# Altium PCB LH-RAM_OB_USB_A_V1.0(DY)20170519.PcbDoc (part 3 of 3)
Units mm, origin at the board's own origin, x right, y up, seen from the top; angles counter-clockwise.
Board outline 99.09 x 92.63 mm, 2 copper layers (Top Layer, Bottom Layer); 280 components, 27 nets, 1180 pads, 290 vias.
Unrouted connection lines stored in the file: 234.
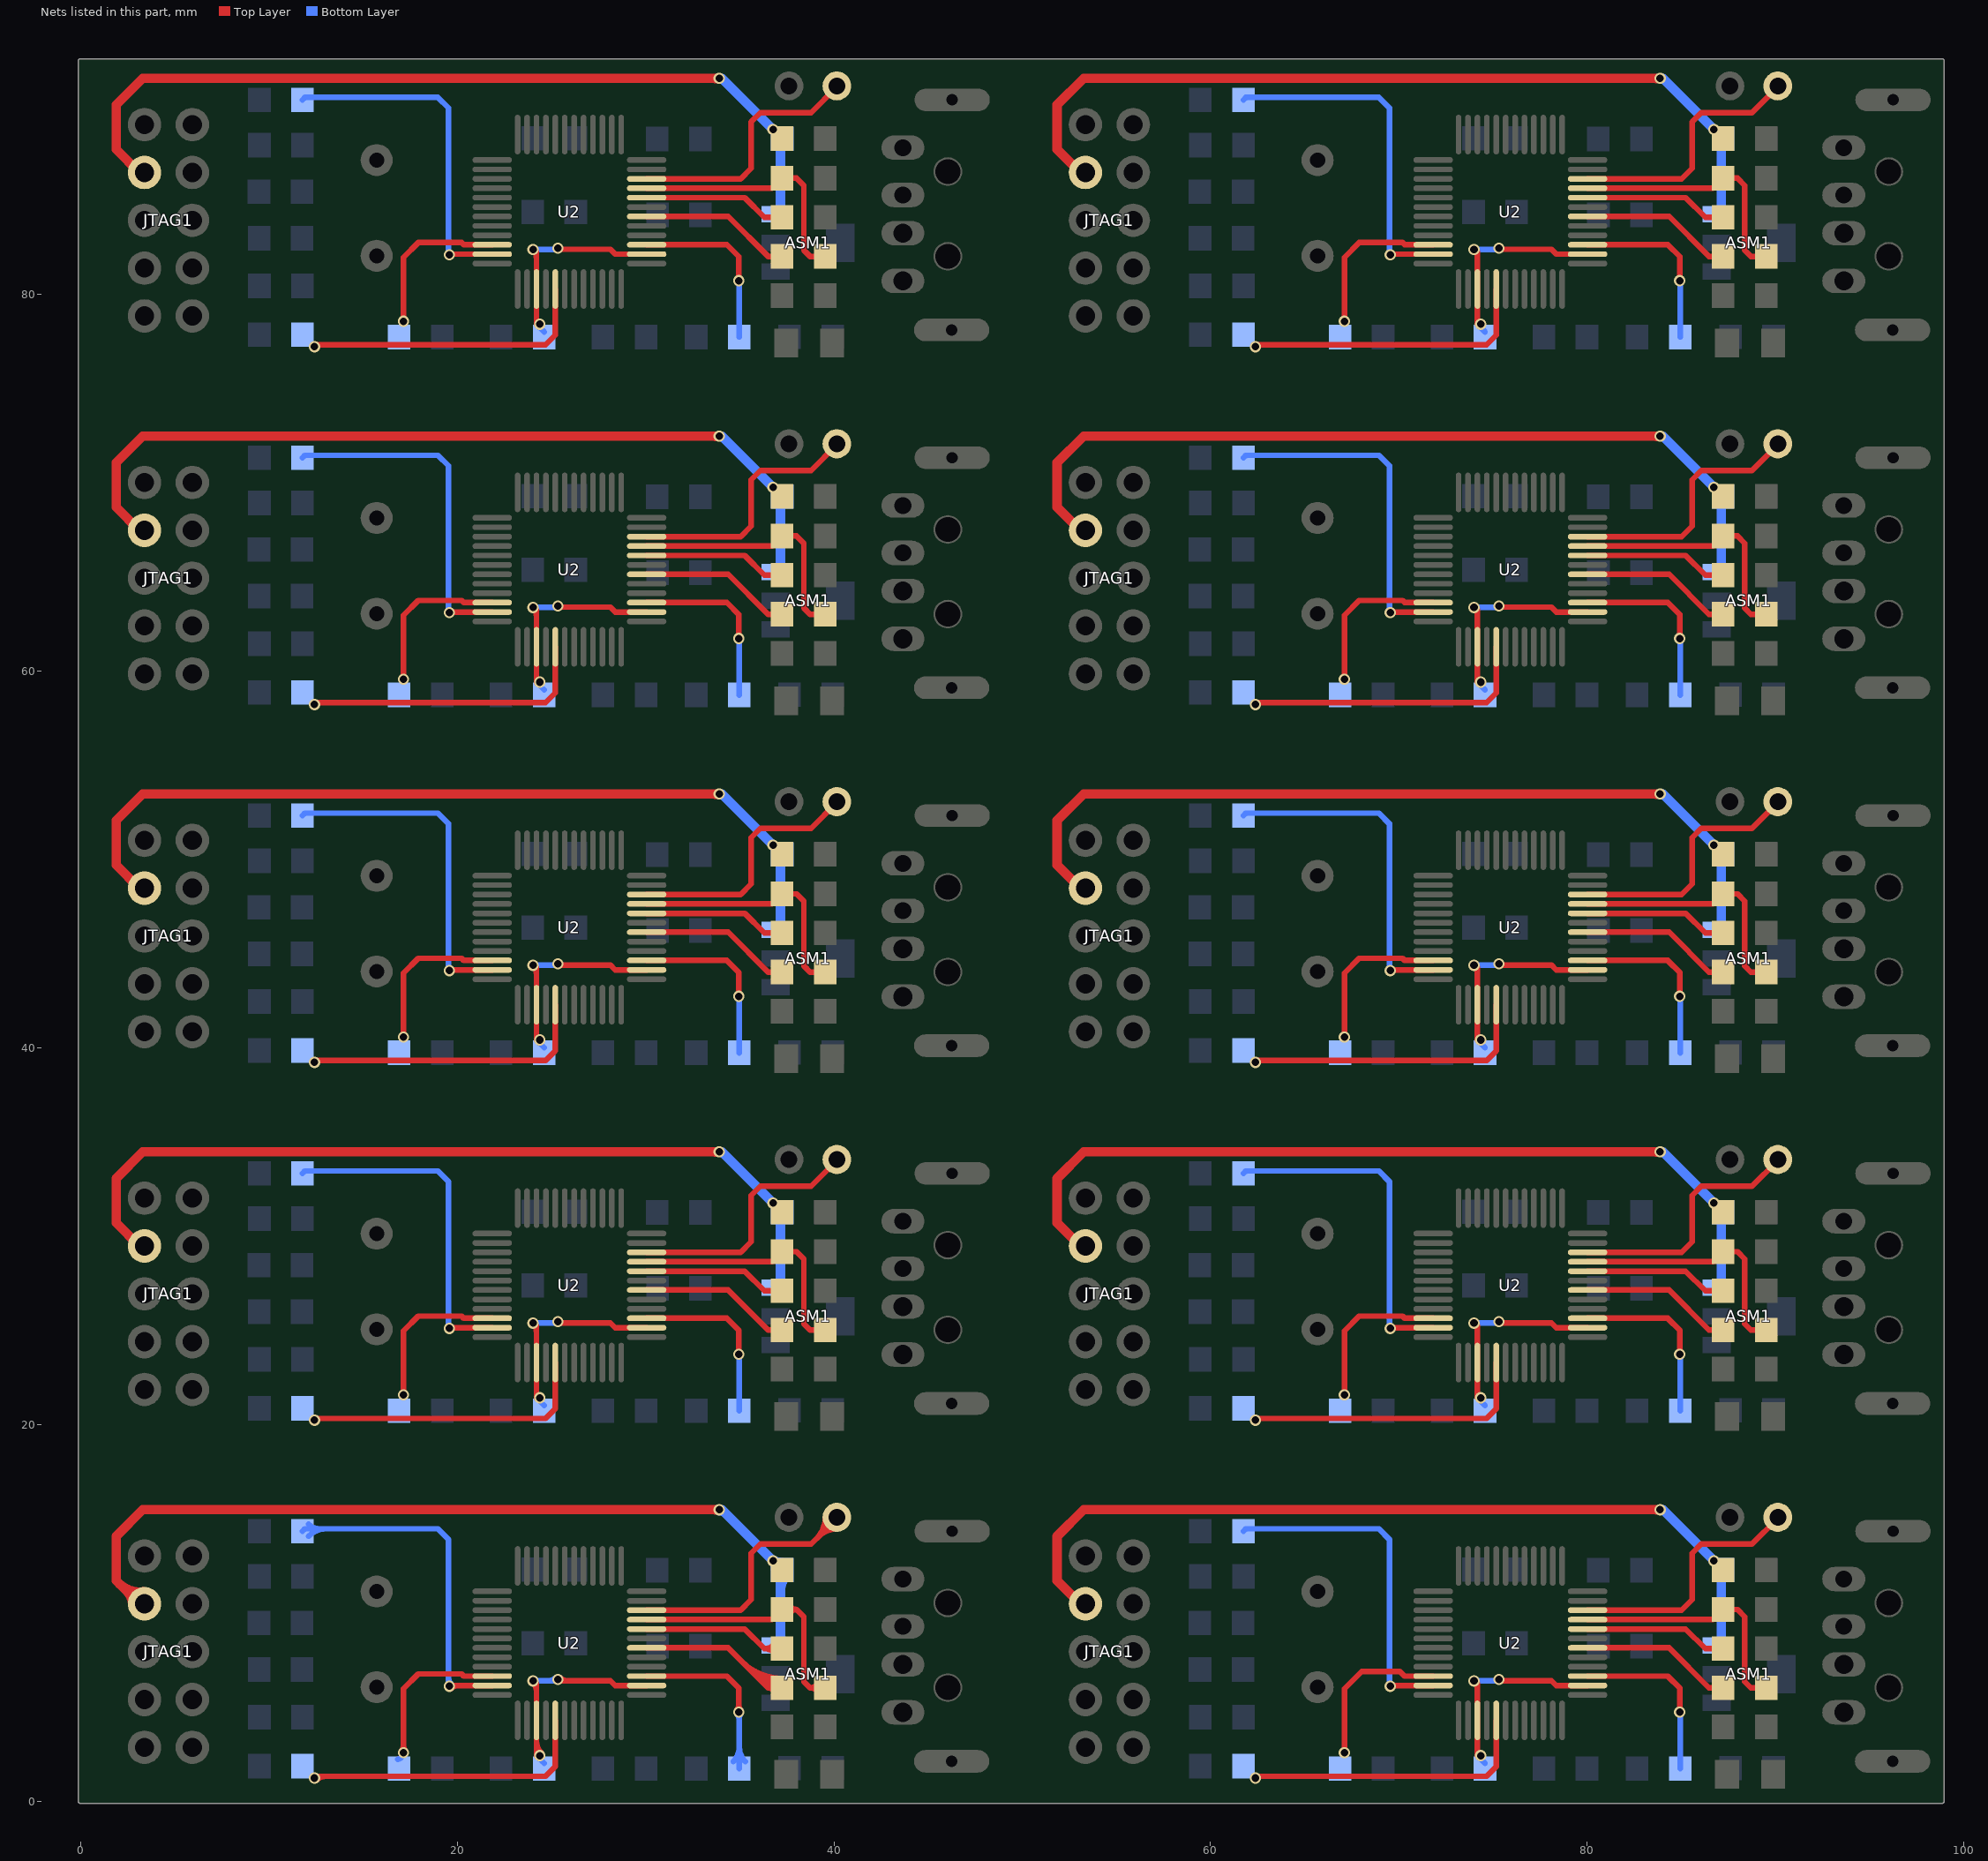
[diagram p3: the nets of this part, all layers, seen from the top]

## Via types
v1: diameter 0.6, hole 0.4, Top Layer to Bottom Layer, 260 vias
v2: diameter 0.6, hole 0.3, Top Layer to Bottom Layer, 30 vias

## Nets (pads, with @x,y where several pads share a name; then routed paths per layer and width w, separated by ;. In a path a pad name is that pad's centre, name@x,y a point inside that pad or via, vN(x,y) a via of type N, cw(c..) or ccw(c..) an arc to the next point about the centre after c; other vN are vias at no path point) (continued)
"STM JTMS": SWD1.1 U2.34 | length 139.1
  Top Layer w0.3: U2.34@30.059,10.132 35.052,10.132 35.611,10.691 35.611,13.157 36.093,13.64 38.786,13.64 40.157,15.011 SWD1.1@40.157,15.062 ; U2.34@30.059,29.131 35.052,29.131 35.611,29.69 35.611,32.156 36.093,32.639 38.786,32.639 40.157,34.011 SWD1.1@40.157,34.061 ; U2.34@30.059,48.131 35.052,48.131 35.611,48.69 35.611,51.156 36.093,51.639 38.786,51.639 40.157,53.011 SWD1.1@40.157,53.061 ; U2.34@30.059,67.131 35.052,67.131 35.611,67.69 35.611,70.156 36.093,70.639 38.786,70.639 40.157,72.011 SWD1.1@40.157,72.061 ; U2.34@30.059,86.131 35.052,86.131 35.611,86.69 35.611,89.156 36.093,89.639 38.786,89.639 40.157,91.011 SWD1.1@40.157,91.061 ; 39.082,13.936 ccw(c37.965,15.054) SWD1.1@39.545,15.054 ; 39.186,14.04 cw(c40.157,13.068) SWD1.1@40.157,14.442 ; 39.595,14.449 ccw(c38.989,15.054) SWD1.1@39.845,15.054 ; U2.34@80.021,10.132 85.014,10.132 85.573,10.691 85.573,13.157 86.055,13.64 88.748,13.64 90.119,15.011 SWD1.1@90.119,15.062 ; U2.34@80.021,29.131 85.014,29.131 85.573,29.69 85.573,32.156 86.055,32.639 88.748,32.639 90.119,34.011 SWD1.1@90.119,34.061 ; U2.34@80.021,48.131 85.014,48.131 85.573,48.69 85.573,51.156 86.055,51.639 88.748,51.639 90.119,53.011 SWD1.1@90.119,53.061 ; U2.34@80.021,67.131 85.014,67.131 85.573,67.69 85.573,70.156 86.055,70.639 88.748,70.639 90.119,72.011 SWD1.1@90.119,72.061 ; U2.34@80.021,86.131 85.014,86.131 85.573,86.69 85.573,89.156 86.055,89.639 88.748,89.639 90.119,91.011 SWD1.1@90.119,91.061
TCKOUT: R6.1 U2.15 U2.26 | length 112.8
  Top Layer w0.3: v1@23.982,6.233 cw(c23.887,5.936) 24.198,5.936 ; v1(24.028,6.375) 24.079,6.375 24.198,6.256 24.198,5.971 24.209,5.96 U2.15@24.209,4.282 24.209,2.41 24.359,2.261 v1@24.384,2.261 ; v1(24.028,25.375) 24.079,25.375 24.198,25.255 24.198,24.97 24.209,24.959 U2.15@24.209,23.281 24.209,21.41 24.359,21.26 v1@24.384,21.26 ; v1(24.028,44.375) 24.079,44.375 24.198,44.255 24.198,43.97 24.209,43.959 U2.15@24.209,42.281 24.209,40.41 24.359,40.26 v1@24.384,40.26 ; v1(24.028,63.375) 24.079,63.375 24.198,63.255 24.198,62.97 24.209,62.959 U2.15@24.209,61.281 24.209,59.41 24.359,59.26 v1@24.384,59.26 ; v1(24.028,82.375) 24.079,82.375 24.198,82.255 24.198,81.97 24.209,81.959 U2.15@24.209,80.281 24.209,78.41 24.359,78.26 v1@24.384,78.26 ; 24.209,3.196 ccw(c25.169,3.196) v1@24.49,2.517 ; v1(25.349,6.452) 25.324,6.452 25.298,6.426 25.333,6.391 28.138,6.391 28.397,6.132 U2.26@30.059,6.132 ; v1(25.349,25.451) 25.324,25.451 25.298,25.425 25.333,25.39 28.138,25.39 28.397,25.131 U2.26@30.059,25.131 ; v1(25.349,44.451) 25.324,44.451 25.298,44.425 25.333,44.39 28.138,44.39 28.397,44.131 U2.26@30.059,44.131 ; v1(25.349,63.451) 25.324,63.451 25.298,63.425 25.333,63.39 28.138,63.39 28.397,63.131 U2.26@30.059,63.131 ; v1(25.349,82.451) 25.324,82.451 25.298,82.425 25.333,82.39 28.138,82.39 28.397,82.131 U2.26@30.059,82.131 ; v1@25.455,6.558 ccw(c25.857,6.96) 25.857,6.391 ; v1(73.99,6.375) 74.041,6.375 74.16,6.256 74.16,5.971 74.171,5.96 U2.15@74.171,4.282 74.171,2.41 74.32,2.261 v1@74.346,2.261 ; v1(73.99,25.375) 74.041,25.375 74.16,25.255 74.16,24.97 74.171,24.959 U2.15@74.171,23.281 74.171,21.41 74.32,21.26 v1@74.346,21.26 ; v1(73.99,44.375) 74.041,44.375 74.16,44.255 74.16,43.97 74.171,43.959 U2.15@74.171,42.281 74.171,40.41 74.32,40.26 v1@74.346,40.26 ; v1(73.99,63.375) 74.041,63.375 74.16,63.255 74.16,62.97 74.171,62.959 U2.15@74.171,61.281 74.171,59.41 74.32,59.26 v1@74.346,59.26 ; v1(73.99,82.375) 74.041,82.375 74.16,82.255 74.16,81.97 74.171,81.959 U2.15@74.171,80.281 74.171,78.41 74.32,78.26 v1@74.346,78.26 ; v1(75.311,6.452) 75.286,6.452 75.26,6.426 75.295,6.391 78.1,6.391 78.359,6.132 U2.26@80.021,6.132 ; v1(75.311,25.451) 75.286,25.451 75.26,25.425 75.295,25.39 78.1,25.39 78.359,25.131 U2.26@80.021,25.131 ; v1(75.311,44.451) 75.286,44.451 75.26,44.425 75.295,44.39 78.1,44.39 78.359,44.131 U2.26@80.021,44.131 ; v1(75.311,63.451) 75.286,63.451 75.26,63.425 75.295,63.39 78.1,63.39 78.359,63.131 U2.26@80.021,63.131 ; v1(75.311,82.451) 75.286,82.451 75.26,82.425 75.295,82.39 78.1,82.39 78.359,82.131 U2.26@80.021,82.131
  Bottom Layer w0.3: v1(24.028,6.375) 25.273,6.375 v1(25.349,6.452) ; v1(24.028,25.375) 25.273,25.375 v1(25.349,25.451) ; v1(24.028,44.375) 25.273,44.375 v1(25.349,44.451) ; v1(24.028,63.375) 25.273,63.375 v1(25.349,63.451) ; v1(24.028,82.375) 25.273,82.375 v1(25.349,82.451) ; v1@24.134,6.269 cw(c24.391,6.013) 24.391,6.375 cw(c24.391,6.738) v1@24.134,6.481 ; R6.1@24.384,2.261 24.359,2.261 R6.1@24.613,2.007 ; R6.1@24.384,21.26 24.359,21.26 R6.1@24.613,21.006 ; R6.1@24.384,40.26 24.359,40.26 R6.1@24.613,40.006 ; R6.1@24.384,59.26 24.359,59.26 R6.1@24.613,59.006 ; R6.1@24.384,78.26 24.359,78.26 R6.1@24.613,78.006 ; R6.1@24.506,2.323 ccw(c24.651,2.22) R6.1@24.525,2.094 ; 24.803,6.375 ccw(c24.803,6.998) v1@25.243,6.558 ; v1(73.99,6.375) 75.235,6.375 v1(75.311,6.452) ; v1(73.99,25.375) 75.235,25.375 v1(75.311,25.451) ; v1(73.99,44.375) 75.235,44.375 v1(75.311,44.451) ; v1(73.99,63.375) 75.235,63.375 v1(75.311,63.451) ; v1(73.99,82.375) 75.235,82.375 v1(75.311,82.451) ; R6.1@74.346,2.261 74.32,2.261 R6.1@74.574,2.007 ; R6.1@74.346,21.26 74.32,21.26 R6.1@74.574,21.006 ; R6.1@74.346,40.26 74.32,40.26 R6.1@74.574,40.006 ; R6.1@74.346,59.26 74.32,59.26 R6.1@74.574,59.006 ; R6.1@74.346,78.26 74.32,78.26 R6.1@74.574,78.006
  other v1: 24.384,2.411 74.346,2.411 24.384,21.41 74.346,21.41 24.384,40.41 74.346,40.41 24.384,59.41 74.346,59.41 24.384,78.41 74.346,78.41
TDIOUT: R10.1 U2.27 | length 97.2
  Top Layer w0.3: U2.27@30.059,6.632 31.166,6.632 34.315,6.632 34.95,5.997 v1(34.95,4.724) ; U2.27@30.059,25.631 31.166,25.631 34.315,25.631 34.95,24.996 v1(34.95,23.724) ; U2.27@30.059,44.631 31.166,44.631 34.315,44.631 34.95,43.996 v1(34.95,42.724) ; U2.27@30.059,63.631 31.166,63.631 34.315,63.631 34.95,62.996 v1(34.95,61.724) ; U2.27@30.059,82.631 31.166,82.631 34.315,82.631 34.95,81.996 v1(34.95,80.724) ; v1@34.844,4.83 ccw(c34.588,5.087) 34.95,5.087 ccw(c35.313,5.087) v1@35.056,4.83 ; U2.27@80.021,6.632 81.128,6.632 84.277,6.632 84.912,5.997 v1(84.912,4.724) ; U2.27@80.021,25.631 81.128,25.631 84.277,25.631 84.912,24.996 v1(84.912,23.724) ; U2.27@80.021,44.631 81.128,44.631 84.277,44.631 84.912,43.996 v1(84.912,42.724) ; U2.27@80.021,63.631 81.128,63.631 84.277,63.631 84.912,62.996 v1(84.912,61.724) ; U2.27@80.021,82.631 81.128,82.631 84.277,82.631 84.912,81.996 v1(84.912,80.724)
  Bottom Layer w0.3: R10.1@34.658,2.095 ccw(c33.889,2.864) 34.976,2.864 ccw(c36.062,2.864) R10.1@35.294,2.095 ; v1@34.844,4.618 cw(c34.527,4.301) 34.976,4.301 ; v1(34.95,4.724) 34.976,4.699 R10.1@34.976,1.727 ; v1(34.95,23.724) 34.976,23.698 R10.1@34.976,20.726 ; v1(34.95,42.724) 34.976,42.698 R10.1@34.976,39.726 ; v1(34.95,61.724) 34.976,61.698 R10.1@34.976,58.726 ; v1(34.95,80.724) 34.976,80.698 R10.1@34.976,77.726 ; 34.976,4.424 cw(c35.251,4.424) v1@35.056,4.618 ; v1(84.912,4.724) 84.938,4.699 R10.1@84.938,1.727 ; v1(84.912,23.724) 84.938,23.698 R10.1@84.938,20.726 ; v1(84.912,42.724) 84.938,42.698 R10.1@84.938,39.726 ; v1(84.912,61.724) 84.938,61.698 R10.1@84.938,58.726 ; v1(84.912,80.724) 84.938,80.698 R10.1@84.938,77.726
TMSOUT: R7.1 U2.17 | length 156.3
  Top Layer w0.3: v1@12.428,1.161 12.395,1.194 v1(12.421,1.219) 12.515,1.314 24.694,1.314 25.209,1.829 25.209,3.136 U2.17@25.209,4.282 ; v1@12.428,20.16 12.395,20.193 v1(12.421,20.218) 12.515,20.313 24.694,20.313 25.209,20.828 25.209,22.135 U2.17@25.209,23.281 ; v1@12.428,39.16 12.395,39.193 v1(12.421,39.218) 12.515,39.313 24.694,39.313 25.209,39.828 25.209,41.135 U2.17@25.209,42.281 ; v1@12.428,58.16 12.395,58.193 v1(12.421,58.218) 12.515,58.313 24.694,58.313 25.209,58.828 25.209,60.135 U2.17@25.209,61.281 ; v1@12.428,77.16 12.395,77.193 v1(12.421,77.218) 12.515,77.313 24.694,77.313 25.209,77.828 25.209,79.135 U2.17@25.209,80.281 ; v1@12.527,1.113 cw(c13.011,0.629) 13.011,1.314 ; v1@62.39,1.161 62.357,1.194 v1(62.382,1.219) 62.477,1.314 74.656,1.314 75.171,1.829 75.171,3.136 U2.17@75.171,4.282 ; v1@62.39,20.16 62.357,20.193 v1(62.382,20.218) 62.477,20.313 74.656,20.313 75.171,20.828 75.171,22.135 U2.17@75.171,23.281 ; v1@62.39,39.16 62.357,39.193 v1(62.382,39.218) 62.477,39.313 74.656,39.313 75.171,39.828 75.171,41.135 U2.17@75.171,42.281 ; v1@62.39,58.16 62.357,58.193 v1(62.382,58.218) 62.477,58.313 74.656,58.313 75.171,58.828 75.171,60.135 U2.17@75.171,61.281 ; v1@62.39,77.16 62.357,77.193 v1(62.382,77.218) 62.477,77.313 74.656,77.313 75.171,77.828 75.171,79.135 U2.17@75.171,80.281
TRESOUT: R5.1 U2.11 | length 186.1
  Top Layer w0.3: v1@19.583,6.045 19.583,6.117 19.598,6.132 U2.11@21.859,6.132 ; v1@19.583,25.044 19.583,25.116 19.598,25.131 U2.11@21.859,25.131 ; v1@19.583,44.044 19.583,44.116 19.598,44.131 U2.11@21.859,44.131 ; v1@19.583,63.044 19.583,63.116 19.598,63.131 U2.11@21.859,63.131 ; v1@19.583,82.044 19.583,82.116 19.598,82.131 U2.11@21.859,82.131 ; v1@19.689,5.99 cw(c20.032,5.647) 20.032,6.132 ; v1@69.545,6.045 69.545,6.117 69.56,6.132 U2.11@71.821,6.132 ; v1@69.545,25.044 69.545,25.116 69.56,25.131 U2.11@71.821,25.131 ; v1@69.545,44.044 69.545,44.116 69.56,44.131 U2.11@71.821,44.131 ; v1@69.545,63.044 69.545,63.116 69.56,63.131 U2.11@71.821,63.131 ; v1@69.545,82.044 69.545,82.116 69.56,82.131 U2.11@71.821,82.131
  Bottom Layer w0.3: R5.1@11.786,14.326 11.913,14.453 18.974,14.453 19.533,13.894 19.533,5.994 v1@19.583,6.045 ; R5.1@11.786,33.325 11.913,33.452 18.974,33.452 19.533,32.893 19.533,24.994 v1@19.583,25.044 ; R5.1@11.786,52.325 11.913,52.452 18.974,52.452 19.533,51.893 19.533,43.994 v1@19.583,44.044 ; R5.1@11.786,71.325 11.913,71.452 18.974,71.452 19.533,70.893 19.533,62.994 v1@19.583,63.044 ; R5.1@11.786,90.325 11.913,90.452 18.974,90.452 19.533,89.893 19.533,81.994 v1@19.583,82.044 ; R5.1@12.104,14.057 cw(c13.058,13.103) 13.058,14.453 ; R5.1@12.104,14.694 ccw(c12.686,15.276) 12.686,14.453 ; 19.533,6.581 ccw(c20.068,6.581) v1@19.689,6.202 ; R5.1@61.747,14.326 61.874,14.453 68.936,14.453 69.494,13.894 69.494,5.994 v1@69.545,6.045 ; R5.1@61.747,33.325 61.874,33.452 68.936,33.452 69.494,32.893 69.494,24.994 v1@69.545,25.044 ; R5.1@61.747,52.325 61.874,52.452 68.936,52.452 69.494,51.893 69.494,43.994 v1@69.545,44.044 ; R5.1@61.747,71.325 61.874,71.452 68.936,71.452 69.494,70.893 69.494,62.994 v1@69.545,63.044 ; R5.1@61.747,90.325 61.874,90.452 68.936,90.452 69.494,89.893 69.494,81.994 v1@69.545,82.044
  other v1: 19.583,6.096 69.545,6.096 19.583,25.095 69.545,25.095 19.583,44.095 69.545,44.095 19.583,63.095 69.545,63.095 19.583,82.095 69.545,82.095
TRSTOUT: R3.1 U2.10 | length 88.5
  Top Layer w0.3: v1@17.039,2.671 ccw(c16.783,2.928) 17.145,2.928 ccw(c17.507,2.928) v1@17.251,2.671 ; v1@17.145,2.464 v1(17.145,2.565) 17.145,5.961 17.93,6.746 20.231,6.746 20.345,6.632 U2.10@21.859,6.632 ; v1@17.145,21.463 v1(17.145,21.565) 17.145,24.96 17.93,25.745 20.231,25.745 20.345,25.631 U2.10@21.859,25.631 ; v1@17.145,40.463 v1(17.145,40.565) 17.145,43.96 17.93,44.745 20.231,44.745 20.345,44.631 U2.10@21.859,44.631 ; v1@17.145,59.463 v1(17.145,59.565) 17.145,62.96 17.93,63.745 20.231,63.745 20.345,63.631 U2.10@21.859,63.631 ; v1@17.145,78.463 v1(17.145,78.565) 17.145,81.96 17.93,82.745 20.231,82.745 20.345,82.631 U2.10@21.859,82.631 ; v1@67.107,2.464 v1(67.107,2.565) 67.107,5.961 68.029,6.883 70.056,6.883 70.307,6.632 U2.10@71.821,6.632 ; v1@67.107,21.463 v1(67.107,21.565) 67.107,24.96 67.892,25.745 70.193,25.745 70.307,25.631 U2.10@71.821,25.631 ; v1@67.107,40.463 v1(67.107,40.565) 67.107,43.96 67.892,44.745 70.193,44.745 70.307,44.631 U2.10@71.821,44.631 ; v1@67.107,59.463 v1(67.107,59.565) 67.107,62.96 67.892,63.745 70.193,63.745 70.307,63.631 U2.10@71.821,63.631 ; v1@67.107,78.463 v1(67.107,78.565) 67.107,81.96 67.892,82.745 70.193,82.745 70.307,82.631 U2.10@71.821,82.631
  Bottom Layer w0.3: R3.1@16.85,2.222 ccw(c16.798,2.565) v1(17.145,2.565) 17.145,2.464 v1@17.196,2.464 ; v1(17.145,21.565) 17.145,21.463 v1@17.196,21.463 ; v1(17.145,40.565) 17.145,40.463 v1@17.196,40.463 ; v1(17.145,59.565) 17.145,59.463 v1@17.196,59.463 ; v1(17.145,78.565) 17.145,78.463 v1@17.196,78.463 ; v1(67.107,2.565) 67.107,2.464 v1@67.158,2.464 ; v1(67.107,21.565) 67.107,21.463 v1@67.158,21.463 ; v1(67.107,40.565) 67.107,40.463 v1@67.158,40.463 ; v1(67.107,59.565) 67.107,59.463 v1@67.158,59.463 ; v1(67.107,78.565) 67.107,78.463 v1@67.158,78.463
"USB DM": R1.2 U2.32 | length 77.6
  Top Layer w0.3: U2.32@30.059,9.132 35.267,9.132 36.309,8.09 ; U2.32@30.059,28.131 35.267,28.131 36.309,27.089 R1.2@37.254,27.089 ; U2.32@30.059,47.131 35.267,47.131 36.309,46.089 R1.2@37.254,46.089 ; U2.32@30.059,66.131 35.267,66.131 36.309,65.089 R1.2@37.254,65.089 ; U2.32@30.059,85.131 35.267,85.131 36.309,84.089 R1.2@37.254,84.089 ; R1.2@36.905,7.806 ccw(c36.309,7.323) 36.309,8.09 ; R1.2@36.905,8.373 cw(c36.309,8.857) 36.309,8.09 ; R1.2@37.254,8.09 36.309,8.09 ; U2.32@80.021,9.132 85.229,9.132 86.271,8.09 R1.2@87.216,8.09 ; U2.32@80.021,28.131 85.229,28.131 86.271,27.089 R1.2@87.216,27.089 ; U2.32@80.021,47.131 85.229,47.131 86.271,46.089 R1.2@87.216,46.089 ; U2.32@80.021,66.131 85.229,66.131 86.271,65.089 R1.2@87.216,65.089 ; U2.32@80.021,85.131 85.229,85.131 86.271,84.089 R1.2@87.216,84.089
"USB DP": R2.2 R4.2 U2.33 | length 144.8
  Top Layer w0.3: U2.33@30.059,9.632 36.72,9.632 R2.2@37.254,10.166 ; U2.33@30.059,28.631 36.72,28.631 R2.2@37.254,29.166 ; U2.33@30.059,47.631 36.72,47.631 R2.2@37.254,48.166 ; U2.33@30.059,66.631 36.72,66.631 R2.2@37.254,67.166 ; U2.33@30.059,85.631 36.72,85.631 R2.2@37.254,86.166 ; R4.2@39.157,5.778 ccw(c38.735,5.518) 38.735,6.013 ; R4.2@39.157,6.249 cw(c38.735,6.509) 38.735,6.013 ; R4.2@39.54,6.013 38.735,6.013 ; R4.2@39.54,25.013 38.735,25.013 38.405,25.343 38.405,28.778 38.017,29.166 ; R4.2@39.54,44.013 38.735,44.013 38.405,44.343 38.405,47.778 38.017,48.166 ; R4.2@39.54,63.013 38.735,63.013 38.405,63.343 38.405,66.778 38.017,67.166 ; R4.2@39.54,82.013 38.735,82.013 38.405,82.343 38.405,85.778 38.017,86.166 ; U2.33@80.021,9.632 86.682,9.632 R2.2@87.216,10.166 ; U2.33@80.021,28.631 86.682,28.631 R2.2@87.216,29.166 ; U2.33@80.021,47.631 86.682,47.631 R2.2@87.216,48.166 ; U2.33@80.021,66.631 86.682,66.631 R2.2@87.216,67.166 ; U2.33@80.021,85.631 86.682,85.631 R2.2@87.216,86.166 ; R4.2@89.502,6.013 88.697,6.013 88.367,6.344 88.367,9.779 87.979,10.166 ; R4.2@89.502,25.013 88.697,25.013 88.367,25.343 88.367,28.778 87.979,29.166 ; R4.2@89.502,44.013 88.697,44.013 88.367,44.343 88.367,47.778 87.979,48.166 ; R4.2@89.502,63.013 88.697,63.013 88.367,63.343 88.367,66.778 87.979,67.166 ; R4.2@89.502,82.013 88.697,82.013 88.367,82.343 88.367,85.778 87.979,86.166 ; R2.2@37.254,10.166 38.017,10.166 ; R2.2@37.254,10.166 38.017,10.166 ; R2.2@37.254,29.166 38.017,29.166 ; R2.2@37.254,29.166 38.017,29.166 ; R2.2@37.254,48.166 38.017,48.166 ; R2.2@37.254,48.166 38.017,48.166 ; R2.2@37.254,67.166 38.017,67.166 ; R2.2@37.254,67.166 38.017,67.166 ; R2.2@37.254,86.166 38.017,86.166 ; R2.2@37.254,86.166 38.017,86.166 ; 38.017,10.166 cw(c38.017,10.589) 37.648,10.384 ccw(c38.017,10.589) 38.017,10.166 ; 38.017,10.166 ccw(c38.017,9.744) 37.648,9.949 cw(c38.017,9.744) 38.017,10.166 ; 38.017,10.166 38.405,9.779 38.405,6.344 38.735,6.013 ; R2.2@87.216,10.166 87.979,10.166 ; R2.2@87.216,10.166 87.979,10.166 ; R2.2@87.216,29.166 87.979,29.166 ; R2.2@87.216,29.166 87.979,29.166 ; R2.2@87.216,48.166 87.979,48.166 ; R2.2@87.216,48.166 87.979,48.166 ; R2.2@87.216,67.166 87.979,67.166 ; R2.2@87.216,67.166 87.979,67.166 ; R2.2@87.216,86.166 87.979,86.166 ; R2.2@87.216,86.166 87.979,86.166
USB_CK: R4.1 U2.30 | length 87
  Top Layer w0.3: U2.30@30.059,8.132 32.787,8.132 34.388,8.132 36.506,6.013 ; U2.30@30.059,27.131 32.787,27.131 34.388,27.131 36.506,25.013 R4.1@37.254,25.013 ; U2.30@30.059,46.131 32.787,46.131 34.388,46.131 36.506,44.013 R4.1@37.254,44.013 ; U2.30@30.059,65.131 32.787,65.131 34.388,65.131 36.506,63.013 R4.1@37.254,63.013 ; U2.30@30.059,84.131 32.787,84.131 34.388,84.131 36.506,82.013 R4.1@37.254,82.013 ; 35.124,7.396 ccw(c37.254,9.526) R4.1@37.254,6.513 ; 35.636,6.884 ccw(c37.254,8.502) R4.1@37.254,6.213 ; 36.148,6.372 ccw(c37.254,7.478) R4.1@37.254,5.913 ; R4.1@36.857,5.803 ccw(c36.506,5.617) 36.506,6.013 ; R4.1@36.857,6.224 cw(c36.506,6.41) 36.506,6.013 ; R4.1@37.254,6.013 36.506,6.013 ; U2.30@80.021,8.132 82.749,8.132 84.349,8.132 86.468,6.013 R4.1@87.216,6.013 ; U2.30@80.021,27.131 82.749,27.131 84.349,27.131 86.468,25.013 R4.1@87.216,25.013 ; U2.30@80.021,46.131 82.749,46.131 84.349,46.131 86.468,44.013 R4.1@87.216,44.013 ; U2.30@80.021,65.131 82.749,65.131 84.349,65.131 86.468,63.013 R4.1@87.216,63.013 ; U2.30@80.021,84.131 82.749,84.131 84.349,84.131 86.468,82.013 R4.1@87.216,82.013
VDD: ASM1.3 C1.2 FB1.2 JTAG1.8 | length 532
  Top Layer w0.5: 2.03,11.559 ccw(c3.149,12.678) JTAG1.8@3.323,11.105 ; 2.498,11.091 cw(c1.877,10.47) JTAG1.8@2.755,10.47 ; JTAG1.8@3.794,10.47 3.119,10.47 1.892,11.697 1.892,14.059 3.302,15.469 13.386,15.469 ; JTAG1.8@3.794,29.469 3.119,29.469 1.892,30.696 1.892,33.058 3.302,34.468 13.386,34.468 ; JTAG1.8@3.794,48.469 3.119,48.469 1.892,49.696 1.892,52.058 3.302,53.468 13.386,53.468 ; JTAG1.8@3.794,67.469 3.119,67.469 1.892,68.696 1.892,71.058 3.302,72.468 13.386,72.468 ; JTAG1.8@3.794,86.469 3.119,86.469 1.892,87.696 1.892,90.058 3.302,91.468 13.386,91.468 ; 6.756,15.469 13.386,15.469 ; 6.756,34.468 13.386,34.468 ; 6.756,53.468 13.386,53.468 ; 6.756,72.468 13.386,72.468 ; 6.756,91.468 13.386,91.468 ; v1@33.706,15.443 33.68,15.469 13.386,15.469 ; v1@33.706,34.442 33.68,34.468 13.386,34.468 ; v1@33.706,53.442 33.68,53.468 13.386,53.468 ; v1@33.706,72.442 33.68,72.468 13.386,72.468 ; v1@33.706,91.442 33.68,91.468 13.386,91.468 ; JTAG1.8@53.756,10.47 53.081,10.47 51.854,11.697 51.854,14.059 53.264,15.469 63.348,15.469 ; JTAG1.8@53.756,29.469 53.081,29.469 51.854,30.696 51.854,33.058 53.264,34.468 63.348,34.468 ; JTAG1.8@53.756,48.469 53.081,48.469 51.854,49.696 51.854,52.058 53.264,53.468 63.348,53.468 ; JTAG1.8@53.756,67.469 53.081,67.469 51.854,68.696 51.854,71.058 53.264,72.468 63.348,72.468 ; JTAG1.8@53.756,86.469 53.081,86.469 51.854,87.696 51.854,90.058 53.264,91.468 63.348,91.468 ; 56.718,15.469 63.348,15.469 ; 56.718,34.468 63.348,34.468 ; 56.718,53.468 63.348,53.468 ; 56.718,72.468 63.348,72.468 ; 56.718,91.468 63.348,91.468 ; v1@83.668,15.443 83.642,15.469 63.348,15.469 ; v1@83.668,34.442 83.642,34.468 63.348,34.468 ; v1@83.668,53.442 83.642,53.468 63.348,53.468 ; v1@83.668,72.442 83.642,72.468 63.348,72.468 ; v1@83.668,91.442 83.642,91.468 63.348,91.468
  Bottom Layer w0.5: v1@33.909,15.419 cw(c33.909,14.956) 34.236,15.283 ; v1(33.909,15.469) 34.051,15.469 v1(36.768,12.751) C1.2@37.258,12.261 37.16,12.164 37.16,8.509 ASM1.3@36.906,8.255 ; v1(33.909,34.468) 34.051,34.468 v1(36.768,31.75) C1.2@37.258,31.261 37.16,31.163 37.16,27.508 ASM1.3@36.906,27.254 ; v1(33.909,53.468) 34.051,53.468 v1(36.768,50.75) C1.2@37.258,50.261 37.16,50.163 37.16,46.508 ASM1.3@36.906,46.254 ; v1(33.909,72.468) 34.051,72.468 v1(36.768,69.75) C1.2@37.258,69.261 37.16,69.163 37.16,65.508 ASM1.3@36.906,65.254 ; v1(33.909,91.468) 34.051,91.468 v1(36.768,88.75) C1.2@37.258,88.261 37.16,88.163 37.16,84.508 ASM1.3@36.906,84.254 ; v1@36.575,12.944 ccw(c37.258,13.627) C1.2@37.258,12.661 ; C1.2@36.696,12.824 cw(c36.183,12.311) C1.2@36.908,12.311 ; C1.2@37.01,11.964 cw(c36.648,11.602) 37.16,11.602 ; 37.16,8.849 ccw(c37.818,8.849) ASM1.3@37.353,8.384 ; 37.16,11.131 cw(c38.338,11.131) C1.2@37.505,11.964 ; v1(83.871,15.469) 84.012,15.469 v1(86.73,12.751) C1.2@87.219,12.261 87.122,12.164 87.122,8.509 ASM1.3@86.868,8.255 ; v1(83.871,34.468) 84.012,34.468 v1(86.73,31.75) C1.2@87.219,31.261 87.122,31.163 87.122,27.508 ASM1.3@86.868,27.254 ; v1(83.871,53.468) 84.012,53.468 v1(86.73,50.75) C1.2@87.219,50.261 87.122,50.163 87.122,46.508 ASM1.3@86.868,46.254 ; v1(83.871,72.468) 84.012,72.468 v1(86.73,69.75) C1.2@87.219,69.261 87.122,69.163 87.122,65.508 ASM1.3@86.868,65.254 ; v1(83.871,91.468) 84.012,91.468 v1(86.73,88.75) C1.2@87.219,88.261 87.122,88.163 87.122,84.508 ASM1.3@86.868,84.254
pads on no net: U1. U2.2 U2.3 U2.4 U2.21 U2.22 U2.29 U2.38 U2.39 U2.40 U2.41 U2.42 U2.43 U2.45 U2.46

## Polygon pours and split planes (outlines as drawn)
GND on Top Layer "Top Layer-No Net" (solid, pour order 1124): 49.962,18.999 49.962,35.331 91.008,35.331 91.999,34.341 91.999,34.315 98.831,34.315 98.831,20.193 92.1,20.193 90.907,18.999
GND on Top Layer "Top Layer-No Net" (solid, pour order 1122): 49.962,37.999 49.962,54.331 91.008,54.331 91.999,53.341 91.999,53.315 98.831,53.315 98.831,39.193 92.1,39.193 90.907,37.999
GND on Top Layer "Top Layer-No Net" (solid, pour order 1120): 49.962,56.999 49.962,73.331 91.008,73.331 91.999,72.341 91.999,72.315 98.831,72.315 98.831,58.193 92.1,58.193 90.907,56.999
GND on Top Layer "Top Layer-No Net" (solid, pour order 1118): 49.962,75.999 49.962,92.331 91.008,92.331 91.999,91.341 91.999,91.315 98.831,91.315 98.831,77.193 92.1,77.193 90.907,75.999
GND on Top Layer "Top Layer-No Net" (solid, pour order 1074): 0,75.999 0,92.331 41.046,92.331 42.037,91.341 42.037,91.315 48.87,91.315 48.87,77.193 42.139,77.193 40.945,75.999
GND on Top Layer "Top Layer-No Net" (solid, pour order 1070): 0,56.999 0,73.331 41.046,73.331 42.037,72.341 42.037,72.315 48.87,72.315 48.87,58.193 42.139,58.193 40.945,56.999
GND on Top Layer "Top Layer-No Net" (solid, pour order 1066): 0,37.999 0,54.331 41.046,54.331 42.037,53.341 42.037,53.315 48.87,53.315 48.87,39.193 42.139,39.193 40.945,37.999
GND on Top Layer "Top Layer-No Net" (solid, pour order 1062): 0,18.999 0,35.331 41.046,35.331 42.037,34.341 42.037,34.315 48.87,34.315 48.87,20.193 42.139,20.193 40.945,18.999
GND on Top Layer "Top Layer-No Net" (solid, pour order 1000): 0,0 0,16.332 41.046,16.332 42.037,15.342 42.037,15.316 48.87,15.316 48.87,1.194 42.139,1.194 40.945,0
GND on Bottom Layer "Top Layer-No Net" (solid, pour order 1134): 49.962,18.999 49.962,35.331 91.008,35.331 91.008,35.306 91.999,34.315 98.831,34.315 98.831,20.193 92.1,20.193 90.907,18.999
GND on Bottom Layer "Top Layer-No Net" (solid, pour order 1132): 49.962,37.999 49.962,54.331 91.008,54.331 91.008,54.306 91.999,53.315 98.831,53.315 98.831,39.193 92.1,39.193 90.907,37.999
GND on Bottom Layer "Top Layer-No Net" (solid, pour order 1130): 49.962,56.999 49.962,73.331 91.008,73.331 91.008,73.306 91.999,72.315 98.831,72.315 98.831,58.193 92.1,58.193 90.907,56.999
GND on Bottom Layer "Top Layer-No Net" (solid, pour order 1128): 49.962,75.999 49.962,92.331 91.008,92.331 91.008,92.306 91.999,91.315 98.831,91.315 98.831,77.193 92.1,77.193 90.907,75.999
GND on Bottom Layer "Top Layer-No Net" (solid, pour order 1076): 0,75.999 0,92.331 41.046,92.331 41.046,92.306 42.037,91.315 48.87,91.315 48.87,77.193 42.139,77.193 40.945,75.999
GND on Bottom Layer "Top Layer-No Net" (solid, pour order 1072): 0,56.999 0,73.331 41.046,73.331 41.046,73.306 42.037,72.315 48.87,72.315 48.87,58.193 42.139,58.193 40.945,56.999
GND on Bottom Layer "Top Layer-No Net" (solid, pour order 1068): 0,37.999 0,54.331 41.046,54.331 41.046,54.306 42.037,53.315 48.87,53.315 48.87,39.193 42.139,39.193 40.945,37.999
GND on Bottom Layer "Top Layer-No Net" (solid, pour order 1064): 0,18.999 0,35.331 41.046,35.331 41.046,35.306 42.037,34.315 48.87,34.315 48.87,20.193 42.139,20.193 40.945,18.999
GND on Bottom Layer "Top Layer-No Net" (solid, pour order 1001): 0,0 0,16.332 41.046,16.332 41.046,16.307 42.037,15.316 48.87,15.316 48.87,1.194 42.139,1.194 40.945,0

## Keep-outs
Keep-Out Layer:
  lines w0.254: 0,1.397 0,0 1.626,0 ; 0,11.786 0,92.38 98.806,92.38 ; 0,18.491 0,20.396 ; 0,37.491 0,39.396 ; 0,37.998 98.908,37.998 ; 0,37.999 1.626,37.999 ; 0,54.331 98.806,54.331 ; 0,54.331 0.813,54.331 0.686,54.331 ; 0,56.491 0,58.396 ; 0,75.491 0,77.396 ; 0.813,16.332 0.686,16.332 ; 0.813,35.331 0.686,35.331 ; 0.813,73.331 0.686,73.331 ; 0.813,92.331 0.686,92.331 ; 0.838,0 0.737,0 ; 0.838,18.999 0.737,18.999 ; 0.838,37.999 0.737,37.999 ; 0.838,56.999 0.737,56.999 ; 0.838,75.999 0.737,75.999 ; 1.067,35.331 0,35.331 98.882,35.331 ; 1.321,73.331 0,73.331 98.781,73.331 ; 1.626,18.999 0,18.999 98.831,18.999 ; 1.626,56.999 0,56.998 98.781,56.998 ; 1.626,75.999 0,75.999 98.704,75.999 ; 2.261,16.332 0,16.332 98.781,16.332 ; 39.243,0 98.831,0 98.831,2.286 ; 48.87,2.769 48.87,0 48.87,92.38 ; 49.53,0 51.587,0 ; 49.53,18.999 51.587,18.999 ; 49.53,37.999 51.587,37.999 ; 49.53,56.999 51.587,56.999 ; 49.53,75.999 51.587,75.999 ; 49.962,1.397 49.962,0 49.962,92.329 ; 49.962,18.491 49.962,20.396 ; 49.962,37.491 49.962,39.396 ; 49.962,56.491 49.962,58.396 ; 49.962,75.491 49.962,77.396 ; 50.775,16.332 50.648,16.332 ; 50.775,35.331 50.648,35.331 ; 50.775,54.331 50.648,54.331 ; 50.775,73.331 50.648,73.331 ; 50.775,92.331 50.648,92.331 ; 50.8,0 50.698,0 ; 50.8,18.999 50.698,18.999 ; 50.8,37.999 50.698,37.999 ; 50.8,56.999 50.698,56.999 ; 50.8,75.999 50.698,75.999 ; 98.831,0.025 98.831,92.38 ; 0.686,16.332 0,15.646 0,0.737 0.737,0 ; 0.686,16.332 41.046,16.332 42.037,15.342 42.037,15.316 48.463,15.316 48.87,14.91 48.87,1.6 48.463,1.194 42.139,1.194 40.945,0 0.737,0 ; 0.686,35.331 41.046,35.331 42.037,34.341 42.037,34.315 48.463,34.315 48.87,33.909 48.87,20.599 48.463,20.193 42.139,20.193 40.945,18.999 0.737,18.999 ; 0.686,35.331 0,34.646 0,19.736 0.737,18.999 ; 0.686,54.331 41.046,54.331 42.037,53.341 42.037,53.315 48.463,53.315 48.87,52.909 48.87,39.599 48.463,39.193 42.139,39.193 40.945,37.999 0.737,37.999 ; 0.686,54.331 0,53.646 0,38.736 0.737,37.999 ; 0.686,73.331 41.021,73.331 42.037,72.315 48.463,72.315 48.87,71.909 48.87,58.599 48.463,58.193 42.139,58.193 40.945,56.999 0.737,56.999 ; 0.686,73.331 0,72.646 0,57.736 0.737,56.999 ; 0.686,92.331 41.021,92.331 42.037,91.315 48.463,91.315 48.87,90.909 48.87,77.599 48.463,77.193 42.139,77.193 40.945,75.999 0.737,75.999 ; 0.686,92.331 0,91.646 0,76.736 0.737,75.999 ; 50.648,16.332 91.008,16.332 91.999,15.342 91.999,15.316 98.425,15.316 98.831,14.91 98.831,1.6 98.425,1.194 92.1,1.194 90.907,0 50.698,0 ; 50.648,16.332 49.962,15.646 49.962,0.737 50.698,0 ; 50.648,35.331 49.962,34.646 49.962,19.736 50.698,18.999 ; 50.648,35.331 91.008,35.331 91.999,34.341 91.999,34.315 98.425,34.315 98.831,33.909 98.831,20.599 98.425,20.193 92.1,20.193 90.907,18.999 50.698,18.999 ; 50.648,54.331 49.962,53.646 49.962,38.736 50.698,37.999 ; 50.648,54.331 91.008,54.331 91.999,53.341 91.999,53.315 98.425,53.315 98.831,52.909 98.831,39.599 98.425,39.193 92.1,39.193 90.907,37.999 50.698,37.999 ; 50.648,73.331 49.962,72.646 49.962,57.736 50.698,56.999 ; 50.648,73.331 91.008,73.331 91.999,72.341 91.999,72.315 98.425,72.315 98.831,71.909 98.831,58.599 98.425,58.193 92.1,58.193 90.907,56.999 50.698,56.999 ; 50.648,92.331 49.962,91.646 49.962,76.736 50.698,75.999 ; 50.648,92.331 91.008,92.331 91.999,91.341 91.999,91.315 98.425,91.315 98.831,90.909 98.831,77.599 98.425,77.193 92.1,77.193 90.907,75.999 50.698,75.999

## Silkscreen, mask and mechanical layers (free items; w line width, h text height)
Top Overlay:
  lines w0.2: 1.829,4.039 12.395,4.062 ; 1.829,11.709 12.319,11.709 12.344,11.684 ; 1.829,23.038 12.395,23.061 ; 1.829,30.709 12.319,30.709 12.344,30.683 ; 1.829,42.038 12.395,42.061 ; 1.829,49.709 12.319,49.709 12.344,49.683 ; 1.829,61.038 12.395,61.061 ; 1.829,68.709 12.319,68.709 12.344,68.683 ; 1.829,80.038 12.395,80.061 ; 1.829,87.709 12.319,87.709 12.344,87.683 ; 1.905,6.629 12.395,6.629 ; 1.905,9.22 12.395,9.22 ; 1.905,25.629 12.395,25.629 ; 1.905,28.219 12.395,28.219 ; 1.905,44.629 12.395,44.629 ; 1.905,47.219 12.395,47.219 ; 1.905,63.629 12.395,63.629 ; 1.905,66.219 12.395,66.219 ; 1.905,82.629 12.395,82.629 ; 1.905,85.219 12.395,85.219 ; 5.08,1.575 12.395,1.575 12.395,13.335 ; 5.08,20.574 12.395,20.574 12.395,32.334 ; 5.08,39.574 12.395,39.574 12.395,51.334 ; 5.08,58.574 12.395,58.574 12.395,70.334 ; 5.08,77.574 12.395,77.574 12.395,89.334 ; 5.639,14.402 12.395,14.402 ; 5.639,33.401 12.395,33.401 ; 5.639,52.401 12.395,52.401 ; 5.639,71.401 12.395,71.401 ; 5.639,90.401 12.395,90.401 ; 12.344,14.402 12.395,14.351 12.395,12.395 ; 12.344,33.401 12.395,33.35 12.395,31.394 ; 12.344,52.401 12.395,52.35 12.395,50.394 ; 12.344,71.401 12.395,71.35 12.395,69.394 ; 12.344,90.401 12.395,90.35 12.395,88.394 ; 51.791,4.039 62.357,4.062 ; 51.791,11.709 62.281,11.709 62.306,11.684 ; 51.791,23.038 62.357,23.061 ; 51.791,30.709 62.281,30.709 62.306,30.683 ; 51.791,42.038 62.357,42.061 ; 51.791,49.709 62.281,49.709 62.306,49.683 ; 51.791,61.038 62.357,61.061 ; 51.791,68.709 62.281,68.709 62.306,68.683 ; 51.791,80.038 62.357,80.061 ; 51.791,87.709 62.281,87.709 62.306,87.683 ; 51.867,6.629 62.357,6.629 ; 51.867,9.22 62.357,9.22 ; 51.867,25.629 62.357,25.629 ; 51.867,28.219 62.357,28.219 ; 51.867,44.629 62.357,44.629 ; 51.867,47.219 62.357,47.219 ; 51.867,63.629 62.357,63.629 ; 51.867,66.219 62.357,66.219 ; 51.867,82.629 62.357,82.629 ; 51.867,85.219 62.357,85.219 ; 55.042,1.575 62.357,1.575 62.357,13.335 ; 55.042,20.574 62.357,20.574 62.357,32.334 ; 55.042,39.574 62.357,39.574 62.357,51.334 ; 55.042,58.574 62.357,58.574 62.357,70.334 ; 55.042,77.574 62.357,77.574 62.357,89.334 ; 55.601,14.402 62.357,14.402 ; 55.601,33.401 62.357,33.401 ; 55.601,52.401 62.357,52.401 ; 55.601,71.401 62.357,71.401 ; 55.601,90.401 62.357,90.401 ; 62.306,14.402 62.357,14.351 62.357,12.395 ; 62.306,33.401 62.357,33.35 62.357,31.394 ; 62.306,52.401 62.357,52.35 62.357,50.394 ; 62.306,71.401 62.357,71.35 62.357,69.394 ; 62.306,90.401 62.357,90.35 62.357,88.394
  text "GND" at 1.295,89.258 h0.8 r90
  text "GND" at 51.257,89.258 h0.8 r90
  text "RST" at 8.382,88.521 h0.8
  text "RST" at 58.344,88.521 h0.8
  text "5V" at 1.295,87.378 h0.8 r90
  text "5V" at 51.257,87.378 h0.8 r90
  text "3.3V" at 8.28,85.905 h0.8
  text "3.3V" at 58.242,85.905 h0.8
  text "JTDO" at 1.295,84.051 h0.8 r90
  text "JTDO" at 51.257,84.051 h0.8 r90
  text "GND" at 8.407,83.416 h0.8
  text "GND" at 58.369,83.416 h0.8
  text "JTDI" at 1.295,81.079 h0.8 r90
  text "JTDI" at 51.257,81.079 h0.8 r90
  text "SWDIO" at 8.306,80.901 h0.8
  text "SWDIO" at 58.268,80.901 h0.8
  text "SWCLK" at 8.204,78.336 h0.8
  text "SWCLK" at 58.166,78.336 h0.8
  text "JTRST" at 1.295,77.168 h0.8 r90
  text "JTRST" at 51.257,77.168 h0.8 r90
  text "J Link RAM-OB" at 17.094,76.99 h1.2
  text "J Link RAM-OB" at 67.056,76.99 h1.2
  text "GND" at 1.295,70.258 h0.8 r90
  text "GND" at 51.257,70.258 h0.8 r90
  text "RST" at 8.382,69.521 h0.8
  text "RST" at 58.344,69.521 h0.8
  text "5V" at 1.295,68.378 h0.8 r90
  text "5V" at 51.257,68.378 h0.8 r90
  text "3.3V" at 8.28,66.905 h0.8
  text "3.3V" at 58.242,66.905 h0.8
  text "JTDO" at 1.295,65.051 h0.8 r90
  text "JTDO" at 51.257,65.051 h0.8 r90
  text "GND" at 8.407,64.416 h0.8
  text "GND" at 58.369,64.416 h0.8
  text "JTDI" at 1.295,62.079 h0.8 r90
  text "JTDI" at 51.257,62.079 h0.8 r90
  text "SWDIO" at 8.306,61.901 h0.8
  text "SWDIO" at 58.268,61.901 h0.8
  text "SWCLK" at 8.204,59.336 h0.8
  text "SWCLK" at 58.166,59.336 h0.8
  text "JTRST" at 1.295,58.168 h0.8 r90
  text "JTRST" at 51.257,58.168 h0.8 r90
  text "J Link RAM-OB" at 17.094,57.99 h1.2
  text "J Link RAM-OB" at 67.056,57.99 h1.2
  text "GND" at 1.295,51.258 h0.8 r90
  text "GND" at 51.257,51.258 h0.8 r90
  text "RST" at 8.382,50.521 h0.8
  text "RST" at 58.344,50.521 h0.8
  text "5V" at 1.295,49.378 h0.8 r90
  text "5V" at 51.257,49.378 h0.8 r90
  text "3.3V" at 8.28,47.905 h0.8
  text "3.3V" at 58.242,47.905 h0.8
  text "JTDO" at 1.295,46.051 h0.8 r90
  text "JTDO" at 51.257,46.051 h0.8 r90
  text "GND" at 8.407,45.416 h0.8
  text "GND" at 58.369,45.416 h0.8
  text "JTDI" at 1.295,43.079 h0.8 r90
  text "JTDI" at 51.257,43.079 h0.8 r90
  text "SWDIO" at 8.306,42.901 h0.8
  text "SWDIO" at 58.268,42.901 h0.8
  text "SWCLK" at 8.204,40.336 h0.8
  text "SWCLK" at 58.166,40.336 h0.8
  text "JTRST" at 1.295,39.168 h0.8 r90
  text "JTRST" at 51.257,39.168 h0.8 r90
  text "J Link RAM-OB" at 17.094,38.99 h1.2
  text "J Link RAM-OB" at 67.056,38.99 h1.2
  text "GND" at 1.295,32.258 h0.8 r90
  text "GND" at 51.257,32.258 h0.8 r90
  text "RST" at 8.382,31.521 h0.8
  text "RST" at 58.344,31.521 h0.8
  text "5V" at 1.295,30.378 h0.8 r90
  text "5V" at 51.257,30.378 h0.8 r90
  text "3.3V" at 8.28,28.905 h0.8
  text "3.3V" at 58.242,28.905 h0.8
  text "JTDO" at 1.295,27.051 h0.8 r90
  text "JTDO" at 51.257,27.051 h0.8 r90
  text "GND" at 8.407,26.416 h0.8
  text "GND" at 58.369,26.416 h0.8
  text "JTDI" at 1.295,24.079 h0.8 r90
  text "JTDI" at 51.257,24.079 h0.8 r90
  text "SWDIO" at 8.306,23.901 h0.8
  text "SWDIO" at 58.268,23.901 h0.8
  text "SWCLK" at 8.204,21.336 h0.8
  text "SWCLK" at 58.166,21.336 h0.8
  text "JTRST" at 1.295,20.168 h0.8 r90
  text "JTRST" at 51.257,20.168 h0.8 r90
  text "J Link RAM-OB" at 17.094,19.99 h1.2
  text "J Link RAM-OB" at 67.056,19.99 h1.2
  text "GND" at 1.295,13.259 h0.8 r90
  text "GND" at 51.257,13.259 h0.8 r90
  text "RST" at 8.382,12.522 h0.8
  text "RST" at 58.344,12.522 h0.8
  text "5V" at 1.295,11.379 h0.8 r90
  text "5V" at 51.257,11.379 h0.8 r90
  text "3.3V" at 8.28,9.906 h0.8
  text "3.3V" at 58.242,9.906 h0.8
  text "JTDO" at 1.295,8.052 h0.8 r90
  text "JTDO" at 51.257,8.052 h0.8 r90
  text "GND" at 8.407,7.417 h0.8
  text "GND" at 58.369,7.417 h0.8
  text "JTDI" at 1.295,5.08 h0.8 r90
  text "JTDI" at 51.257,5.08 h0.8 r90
  text "SWDIO" at 8.306,4.902 h0.8
  text "SWDIO" at 58.268,4.902 h0.8
  text "SWCLK" at 8.204,2.337 h0.8
  text "SWCLK" at 58.166,2.337 h0.8
  text "JTRST" at 1.295,1.168 h0.8 r90
  text "JTRST" at 51.257,1.168 h0.8 r90
  text "J Link RAM-OB" at 17.094,0.991 h1.2
  text "J Link RAM-OB" at 67.056,0.991 h1.2